# Altium PCB Zynq-Video-Board.PcbDoc (part 4 of 7)
Units mm, origin at the board's own origin, x right, y up, seen from the top; angles counter-clockwise.
Board outline 140 x 100.79 mm, 4 copper layers (Top Layer, Power Layer, GND Layer, Bottom Layer), stack 1.536 mm thick; 231 components, 238 nets, 1116 pads, 595 vias.
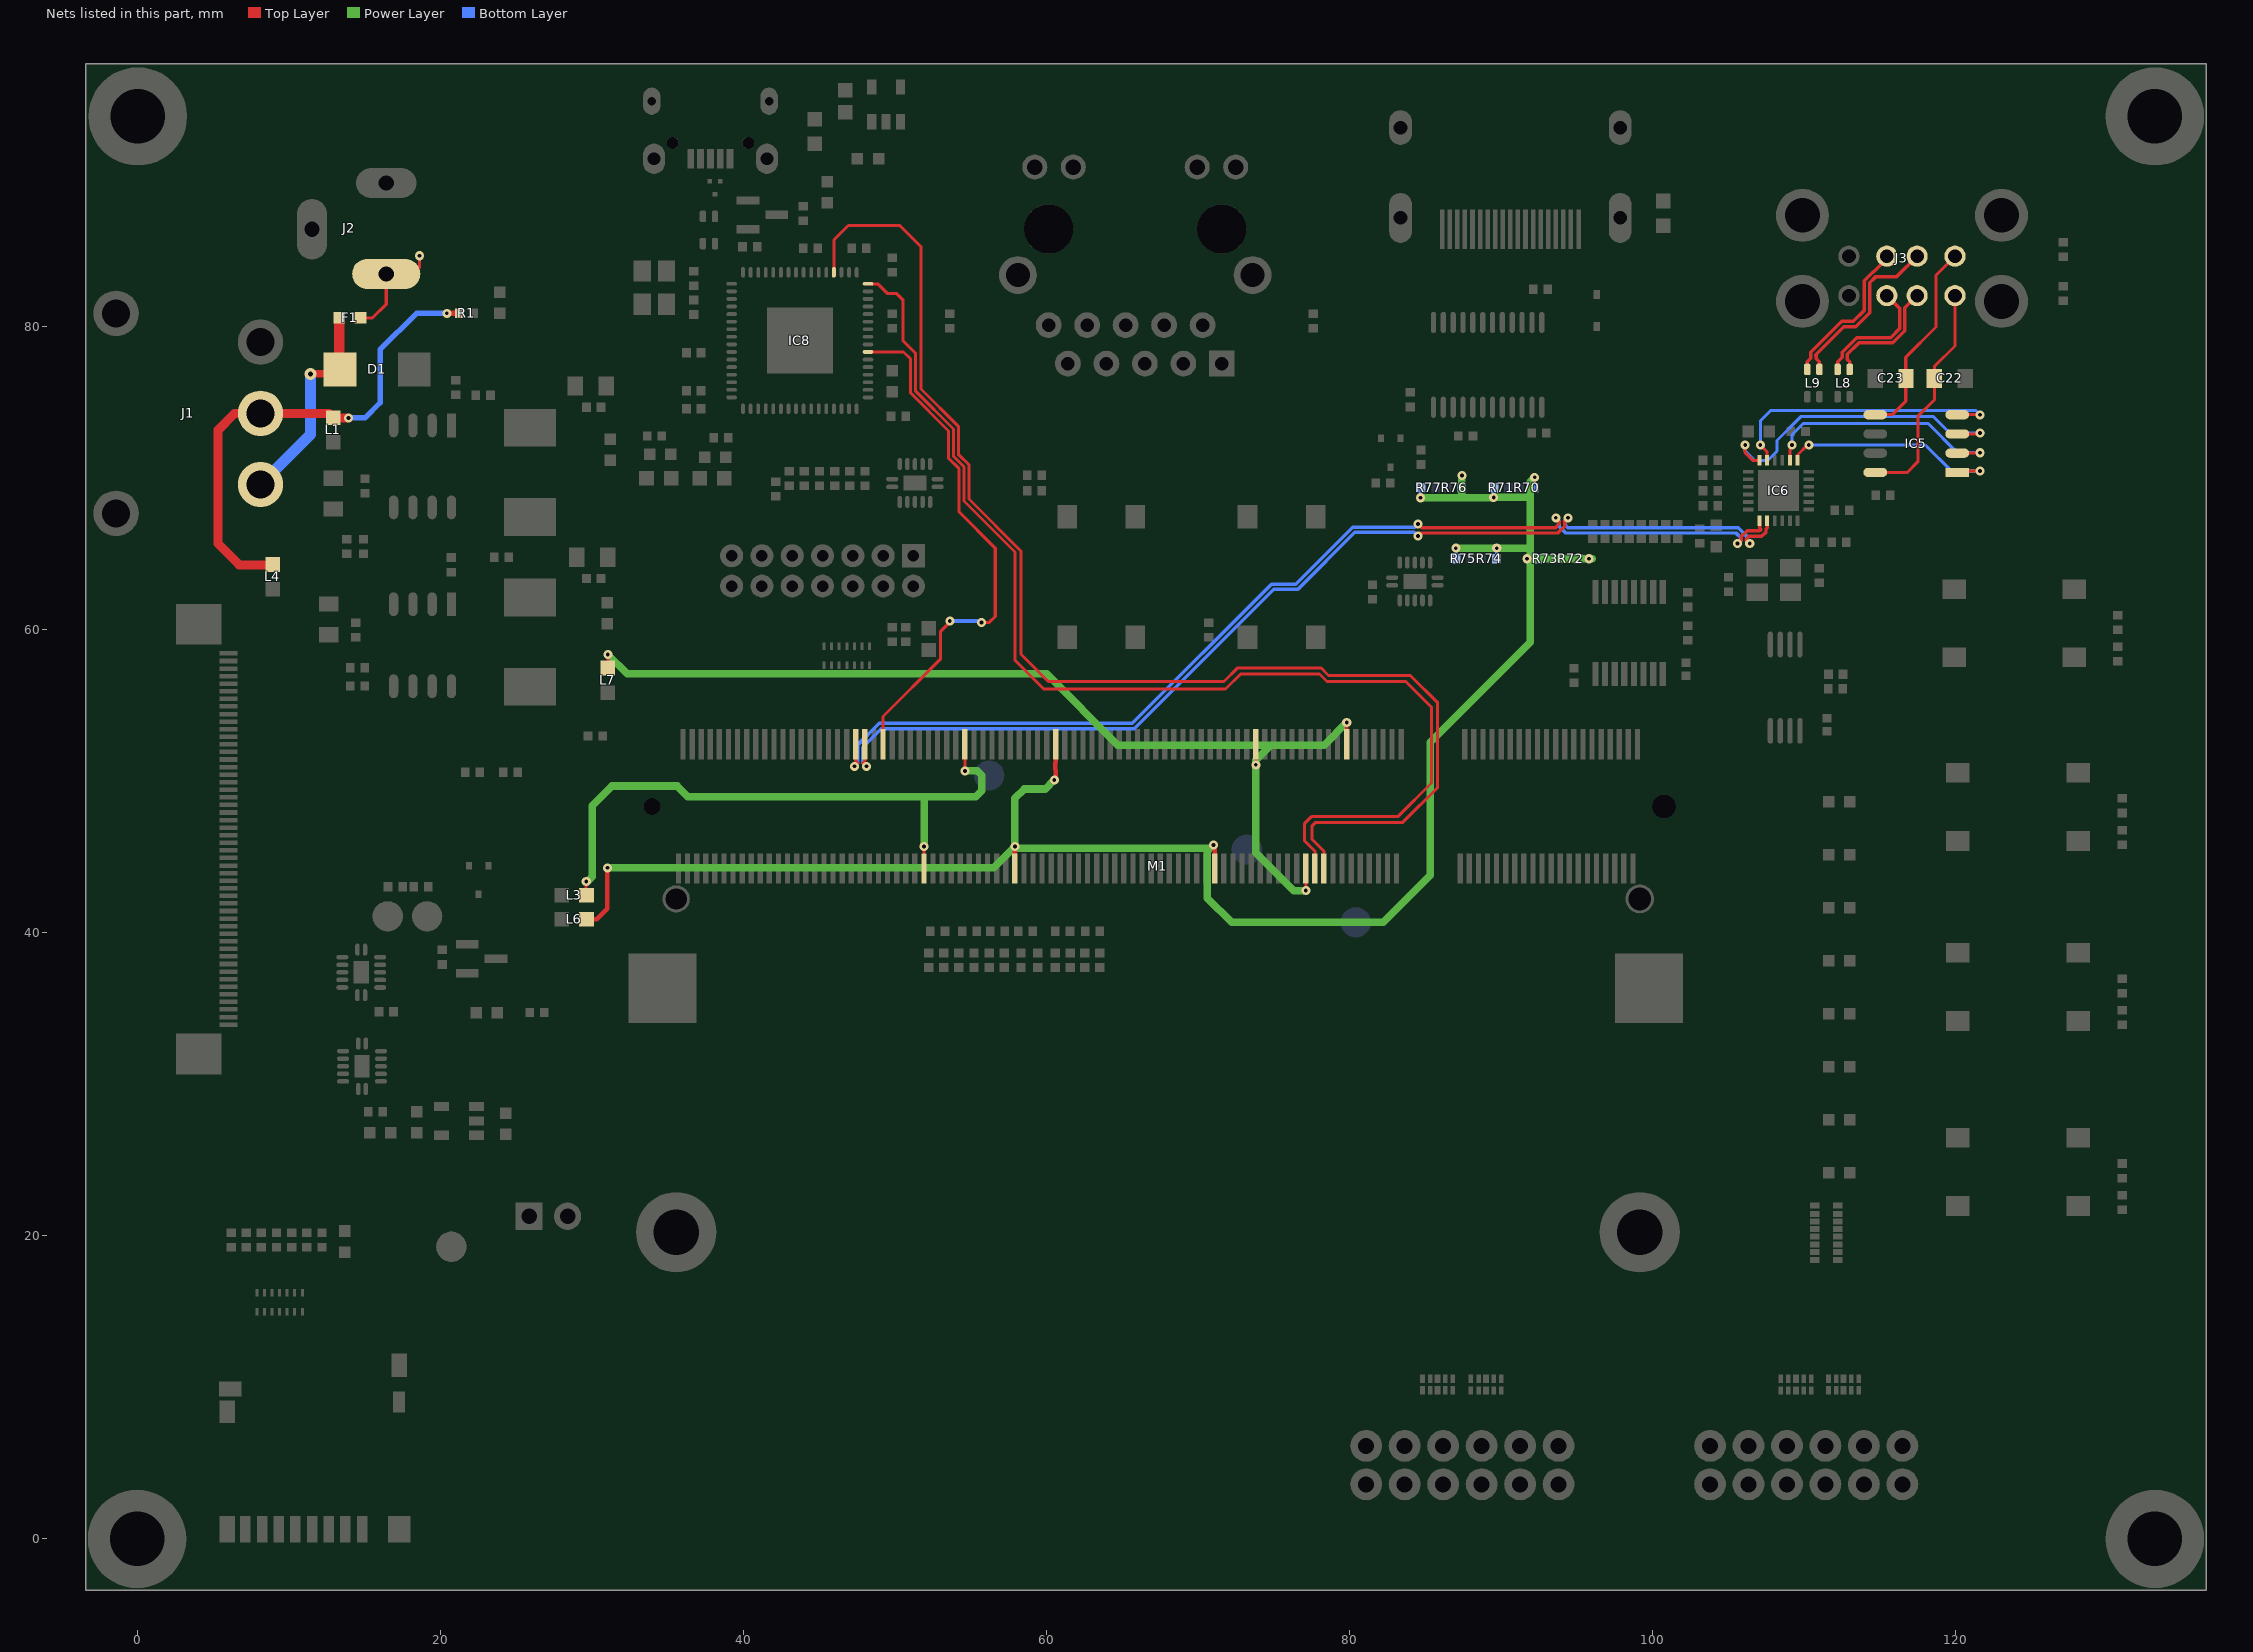
[diagram p6: the nets of this part, all layers, seen from the top]

## Via types
v1: diameter 0.6, hole 0.25, Top Layer to Bottom Layer, tented both sides, 578 vias
v2: diameter 0.6, hole 0.25, Top Layer to Bottom Layer, 16 vias
v3: diameter 0.8, hole 0.35, Top Layer to Bottom Layer, tented both sides, 1 vias

## Nets (pads, with @x,y where several pads share a name; then routed paths per layer and width w, separated by ;. In a path a pad name is that pad's centre, name@x,y a point inside that pad or via, vN(x,y) a via of type N, cw(c..) or ccw(c..) an arc to the next point about the centre after c; other vN are vias at no path point) (continued)
UART1_TX: IC8.39 M1.155 | length 35.5
  Top Layer w0.2: IC8.39@48.25,78.35 50.6,78.35 51.05,77.9 51.05,75.653 53.57,73.133 53.57,71.333 54.27,70.633 54.27,70.367 54.27,67.78 56.65,65.4 56.65,60.893 56.257,60.5 v1(55.75,60.5) ; M1.155@49.241,52.449 49.241,54.291 53.05,58.1 53.05,59.907 53.65,60.507 v1(53.65,60.6)
  Bottom Layer w0.25: v1(53.65,60.6) 55.65,60.6 v1(55.75,60.5)
UART2_RX: IC8.48 M1.60 | length 77
  Top Layer w0.2: IC8.48@48.25,82.85 48.9,82.85 49.55,82.2 50.15,82.2 50.55,81.8 50.55,79.1 51.4,78.25 51.4,75.755 53.89,73.265 53.89,71.465 54.59,70.765 54.59,70.235 54.59,68.507 57.95,65.147 57.95,58 59.85,56.1 71.85,56.1 72.85,57.1 78.05,57.1 78.55,56.6 83.75,56.6 85.45,54.9 85.45,49.9 83.25,47.7 77.55,47.7 77.05,47.2 77.05,46.1 77.741,45.409 M1.60@77.741,44.249
UART2_TX: IC8.52 M1.58 | length 86.2
  Top Layer w0.2: IC8.52@46,83.6 46,85.75 46.95,86.7 50.35,86.7 51.75,85.3 51.75,75.9 54.21,73.44 54.21,71.598 54.91,70.898 54.91,70.102 54.91,68.64 58.35,65.2 58.35,58.4 60.15,56.6 71.75,56.6 72.65,57.5 78.15,57.5 78.65,57 84.05,57 85.85,55.2 85.85,49.6 83.55,47.3 77.799,47.3 77.55,47.051 77.55,46.2 78.341,45.409 M1.58@78.341,44.249
USB1_OCS: IC5.2 IC6.8 | length 16.8
  Top Layer w0.2: IC6.8@109.1,71.2 109.1,72.05 v1(109.25,72.2) ; IC5.2@120.15,71.67 121.62,71.67 v1(121.65,71.7)
  Bottom Layer w0.2: v1(109.25,72.2) 109.25,72.9 109.975,73.625 118.225,73.625 120.15,71.7 v1(121.65,71.7)
USB1_PTRPWR: IC5.1 IC6.7 | length 14.9
  Top Layer w0.2: IC6.7@109.6,71.2 109.6,71.55 110.25,72.2 v1(110.35,72.2) ; IC5.1@120.15,70.4 120.25,70.5 v1(121.65,70.5)
  Bottom Layer w0.2: v1(110.35,72.2) 118.05,72.2 119.75,70.5 v1(121.65,70.5)
USB1_PWR: C22.2 IC5.8 J3.U1 | length 15.1
  Top Layer w0.2: IC5.8@114.74,70.4 116.85,70.4 117.55,71.1 117.55,74.1 118.634,75.184 C22.2@118.634,76.6 118.634,77.384 120,78.75 J3.U1@120,82.07 J3.U1@120.034,82.036
USB2_OCS: IC5.3 IC6.12 | length 21.6
  Top Layer w0.2: v1(106.15,72.2) 106.15,71.7 106.65,71.2 IC6.12@107.1,71.2 ; IC5.3@120.15,72.94 121.59,72.94 v1(121.65,73)
  Bottom Layer w0.2: v1(106.15,72.2) 106.15,71.8 106.75,71.2 107.65,71.2 108.25,71.8 108.25,72.5 109.85,74.1 118.55,74.1 119.65,73 v1(121.65,73) v1@121.85,73
USB2_PTRPWR: IC5.4 IC6.11 | length 19.2
  Top Layer w0.2: v1(107.15,72.2) 107.6,71.75 IC6.11@107.6,71.2 ; IC5.4@120.15,74.21 121.64,74.21 v1(121.65,74.2)
  Bottom Layer w0.2: v1(107.15,72.2) 107.15,73.8 107.85,74.5 121.35,74.5 v1(121.65,74.2)
USB2_PWR: C23.2 IC5.5 J3.L1 | length 13.3
  Top Layer w0.2: IC5.5@114.74,74.21 115.86,74.21 116.75,75.1 116.75,78 118.75,80 118.75,83.42 J3.L1@120,84.67
USB_D0_N: J3.U2 L8.3 | length 8.1
  Top Layer w0.23: L8.3@113.05,77.2 113.05,77.7 112.897,77.852 112.9,77.855 112.9,78.19 113.66,78.95 115.895,78.95 116.69,79.745 116.69,81.26 J3.U2@117.5,82.07
USB_D0_P: J3.U3 L8.4 | length 8.2
  Top Layer w0.23: L8.4@112.25,77.2 112.25,77.7 112.55,78 112.55,78.335 113.515,79.3 115.75,79.3 116.34,79.89 116.34,81.23 J3.U3@115.5,82.07
USB_D1_N: J3.L2 L9.3 | length 11.6
  Top Layer w0.23: L9.3@111.05,77.2 111.05,77.7 110.84,77.91 110.84,78.084 110.82,78.104 110.82,78.175 112.668,80.023 113.439,80.023 114.36,80.943 114.36,82.91 114.75,83.3 116.13,83.3 J3.L2@117.5,84.67
USB_D1_P: J3.L3 L9.4 | length 10.1
  Top Layer w0.23: L9.4@110.25,77.2 110.25,77.7 110.49,77.939 110.47,77.959 110.47,78.32 112.523,80.373 113.294,80.373 114.01,81.088 114.01,83.055 114.605,83.65 114.647,83.65 115.5,84.503 J3.L3@115.5,84.67
USB_UP_N: IC6.19 M1.161 | length 72.2
  Top Layer w0.2: M1.161@47.441,52.449 47.441,51.349 47.541,51.249
  Top Layer w0.23: v1(47.35,51) 47.541,51.191 47.541,51.249 ; v1(84.55,67) 84.8,66.75 93.632,66.75 93.883,67.001 93.864,67.019 93.864,67.186 v1(93.65,67.4) ; v1(105.65,65.7) 105.875,65.925 105.875,66.145 106.28,66.55 107.077,66.55 107.092,66.565 107.14,66.565 107.175,66.6 107.175,66.66 107.1,66.735 IC6.19@107.1,67.2
  Bottom Layer w0.23: v1(47.35,51) 47.56,51.21 47.56,52.405 48.985,53.83 65.685,53.83 74.885,63.03 76.485,63.03 80.245,66.79 84.34,66.79 v1(84.55,67) ; v1(93.65,67.4) 93.89,67.16 93.89,66.815 94.305,66.4 105.548,66.4 105.89,66.058 105.89,65.94 v1(105.65,65.7)
USB_UP_P: IC6.20 M1.159 | length 72.2
  Top Layer w0.2: 47.941,51.249 48.041,51.349 M1.159@48.041,52.449
  Top Layer w0.23: 47.941,51.249 47.941,51.209 v1(48.15,51) ; v1(84.55,66.2) 84.75,66.4 93.777,66.4 94.233,66.856 94.233,67.146 94.214,67.164 v1(94.45,67.4) ; v1(106.45,65.7) 106.225,65.925 106.225,66 106.425,66.2 107.222,66.2 107.237,66.215 107.285,66.215 107.525,66.455 107.525,66.66 107.6,66.735 IC6.20@107.6,67.2
  Bottom Layer w0.23: v1(48.15,51) 47.91,51.24 47.91,52.26 49.13,53.48 65.83,53.48 75.03,62.68 76.63,62.68 80.39,66.44 84.31,66.44 v1(84.55,66.2) ; v1(94.45,67.4) 94.24,67.19 94.24,66.96 94.45,66.75 105.693,66.75 106.24,66.203 106.24,65.91 v1(106.45,65.7)
VCC_CFG: L3.2 M1.137 M1.146 | length 40
  Top Layer w0.2: v1(29.65,43.4) 29.65,42.515 L3.2@29.665,42.5 ; M1.146@51.95,44.88 v1(51.95,45.7) ; v1(54.65,50.7) M1.137@54.65,51.52
  Power Layer w0.5: v1(29.65,43.4) 29.75,43.4 30.05,43.7 30.05,48.4 31.35,49.7 35.65,49.7 36.35,49 51.95,49 ; v1(51.95,45.7) 51.95,49 ; v1(54.65,50.7) 55.45,50.7 55.75,50.4 55.75,49.4 55.35,49 51.95,49
VCC_IO_B34: L7.2 M1.53 M1.62 M1.73 | length 68.2
  Top Layer w0.2: L7.2@31.075,57.49 v1(31.075,58.375) ; v1(73.85,51.1) M1.73@73.85,53.08 ; v1(77.15,42.8) M1.62@77.15,43.62 ; M1.53@79.85,53.08 v1(79.85,53.9)
  Power Layer w0.5: v1(31.075,58.375) 32.35,57.1 60.05,57.1 64.75,52.4 74.85,52.4 ; v1(77.15,42.8) 76.35,42.8 73.85,45.3 v1(73.85,51.1) 73.85,51.4 74.85,52.4 ; v1(79.85,53.9) 78.35,52.4 74.85,52.4
VCC_IO_B35: L6.2 M1.82 M1.117 M1.126 R70.2 R71.2 R72.2 R73.2 R74.2 R75.2 R76.2 R77.2 | length 127.6
  Top Layer w0.3: L6.2@29.665,40.9 30.35,40.9 31.05,41.6 v1(31.05,44.3) ; M1.126@57.95,44.88 v1(57.95,45.7) ; v1(60.55,50.1) 60.65,50.2 60.65,50.722 60.6,50.772 60.6,51.228 60.65,51.278 M1.117@60.65,51.92 ; M1.82@71.141,44.249 v1@71.141,45.609
  Power Layer w0.5: v1(31.05,44.3) 56.55,44.3 v1@57.85,45.6 ; v1(60.55,50.1) 59.95,49.5 58.55,49.5 57.95,48.9 v1(57.95,45.7) v1@57.85,45.6 ; 70.75,45.6 v1@57.85,45.6 ; v1(71.05,45.8) 70.65,45.4 70.65,42.3 72.25,40.7 82.25,40.7 85.35,43.8 85.35,52.6 91.95,59.2 v1@91.95,64.7 ; v1(84.725,68.725) 87.45,68.725 ; v1(87.05,65.4) 91.95,65.4 ; v1(87.45,70.2) 87.45,68.725 ; v1(92.255,70.075) 91.95,69.77 91.95,68.8 ; v1@96.05,64.7 v1(95.85,64.7) v1@91.95,64.7 ; 87.45,68.725 89.525,68.725 v1(89.55,68.75) 91.9,68.75 91.95,68.8 ; v1@91.95,64.7 91.95,65.4 ; 91.95,65.4 91.95,68.8
  Bottom Layer w0.2: v1@84.725,68.825 R77.2@84.725,69.445 ; R75.2@87.05,64.68 v1@87.05,65.3 ; R76.2@87.45,69.33 v1(87.45,70.2) ; v1@89.55,68.85 R71.2@89.55,69.47 ; R74.2@89.73,64.7 89.73,65.38 v1(89.75,65.4) ; v1@91.85,64.7 R73.2@92.47,64.7 ; R70.2@92.255,69.355 v1@92.255,69.975 ; R72.2@95.13,64.7 v1@95.75,64.7
  other v1: 91.75,64.7
VCC_ON: J1.2 L1.1 L4.1 R1.2 | length 32.9
  Top Layer w0.35: v1(20.45,80.9) R1.2@21.27,80.9
  Top Layer w0.6: L4.1@8.935,64.3 6.75,64.3 5.35,65.7 5.35,73.2 6.45,74.3 J1.2@8.15,74.3 12.665,74.3 L1.1@12.95,74.015 ; L1.1@13.13,74 v1(13.95,74)
  Bottom Layer w0.35: v1(13.95,74) 15.05,74 16.05,75 16.05,78.5 18.45,80.9 v1(20.45,80.9)
VIN: D1.C F1.2 J1.1 | length 14.2
  Top Layer w0.5: v3(11.45,76.9) 13.306,76.9 D1.C@13.353,76.947
  Top Layer w0.7: D1.C@13.353,76.947 F1.2@13.353,80.6
  Bottom Layer w0.7: J1.1@8.15,69.6 11.45,72.9 v3(11.45,76.9)
VIN_C: F1.1 J2.1 | length 4.9
  Top Layer w0.2: F1.1@14.75,80.6 15.55,80.6 16.45,81.5 J2.1@16.45,83.5 ; 18.65,83.88 v1(18.65,84.7)
pads on no net: D5.14 IC1.4 IC2.7 IC4.7 IC8.21 IC8.23 IC8.24 IC8.30 IC8.33 IC8.34 IC8.40 IC8.41 IC8.43 IC8.44 IC8.45 IC8.46 IC8.53 IC8.54 IC8.55 IC8.57 IC8.58 IC8.59 IC8.61 IC8.62 IC8.63 IC9.6 IC9.9 IC9.15 IC10.5 IC10.6 IC10.9 IC10.10 IC10.15 IC11.4 IC11.5 IC11.6 IC11.9 IC11.10 IC11.11 IC11.15 IC12.6 IC12.9 IC12.15 IC13.9 IC13.10 IC13.11 IC13.12 IC15.4 J1.S J5.5 J5.6 J5.7 J5.8 J5.13 J5.15 J5.17 J5.19 J5.20 J5.34 J5.35 J5.37 J5.38 J5.M J9.M J10. J10.9 J11.14 J12.12 J13. J13.4 M1. M1.4 M1.6 M1.10 M1.12 M1.16 M1.17 M1.18 M1.19 M1.22 M1.23 M1.24 M1.25 M1.28 M1.29 M1.30 M1.31 M1.34 M1.35 M1.36 M1.37 M1.41 M1.42 M1.89 M1.94 M1.101 M1.103 M1.105 M1.109 M1.111 M1.166 M1.168 M1.170 M1.174 M1.181 M1.182 M1.184 M1.186 M1.187 M1.188 M1.189 M1.198
copper on no net: | length 2891.1